# KiCad board panel.kicad_pcb (continued)
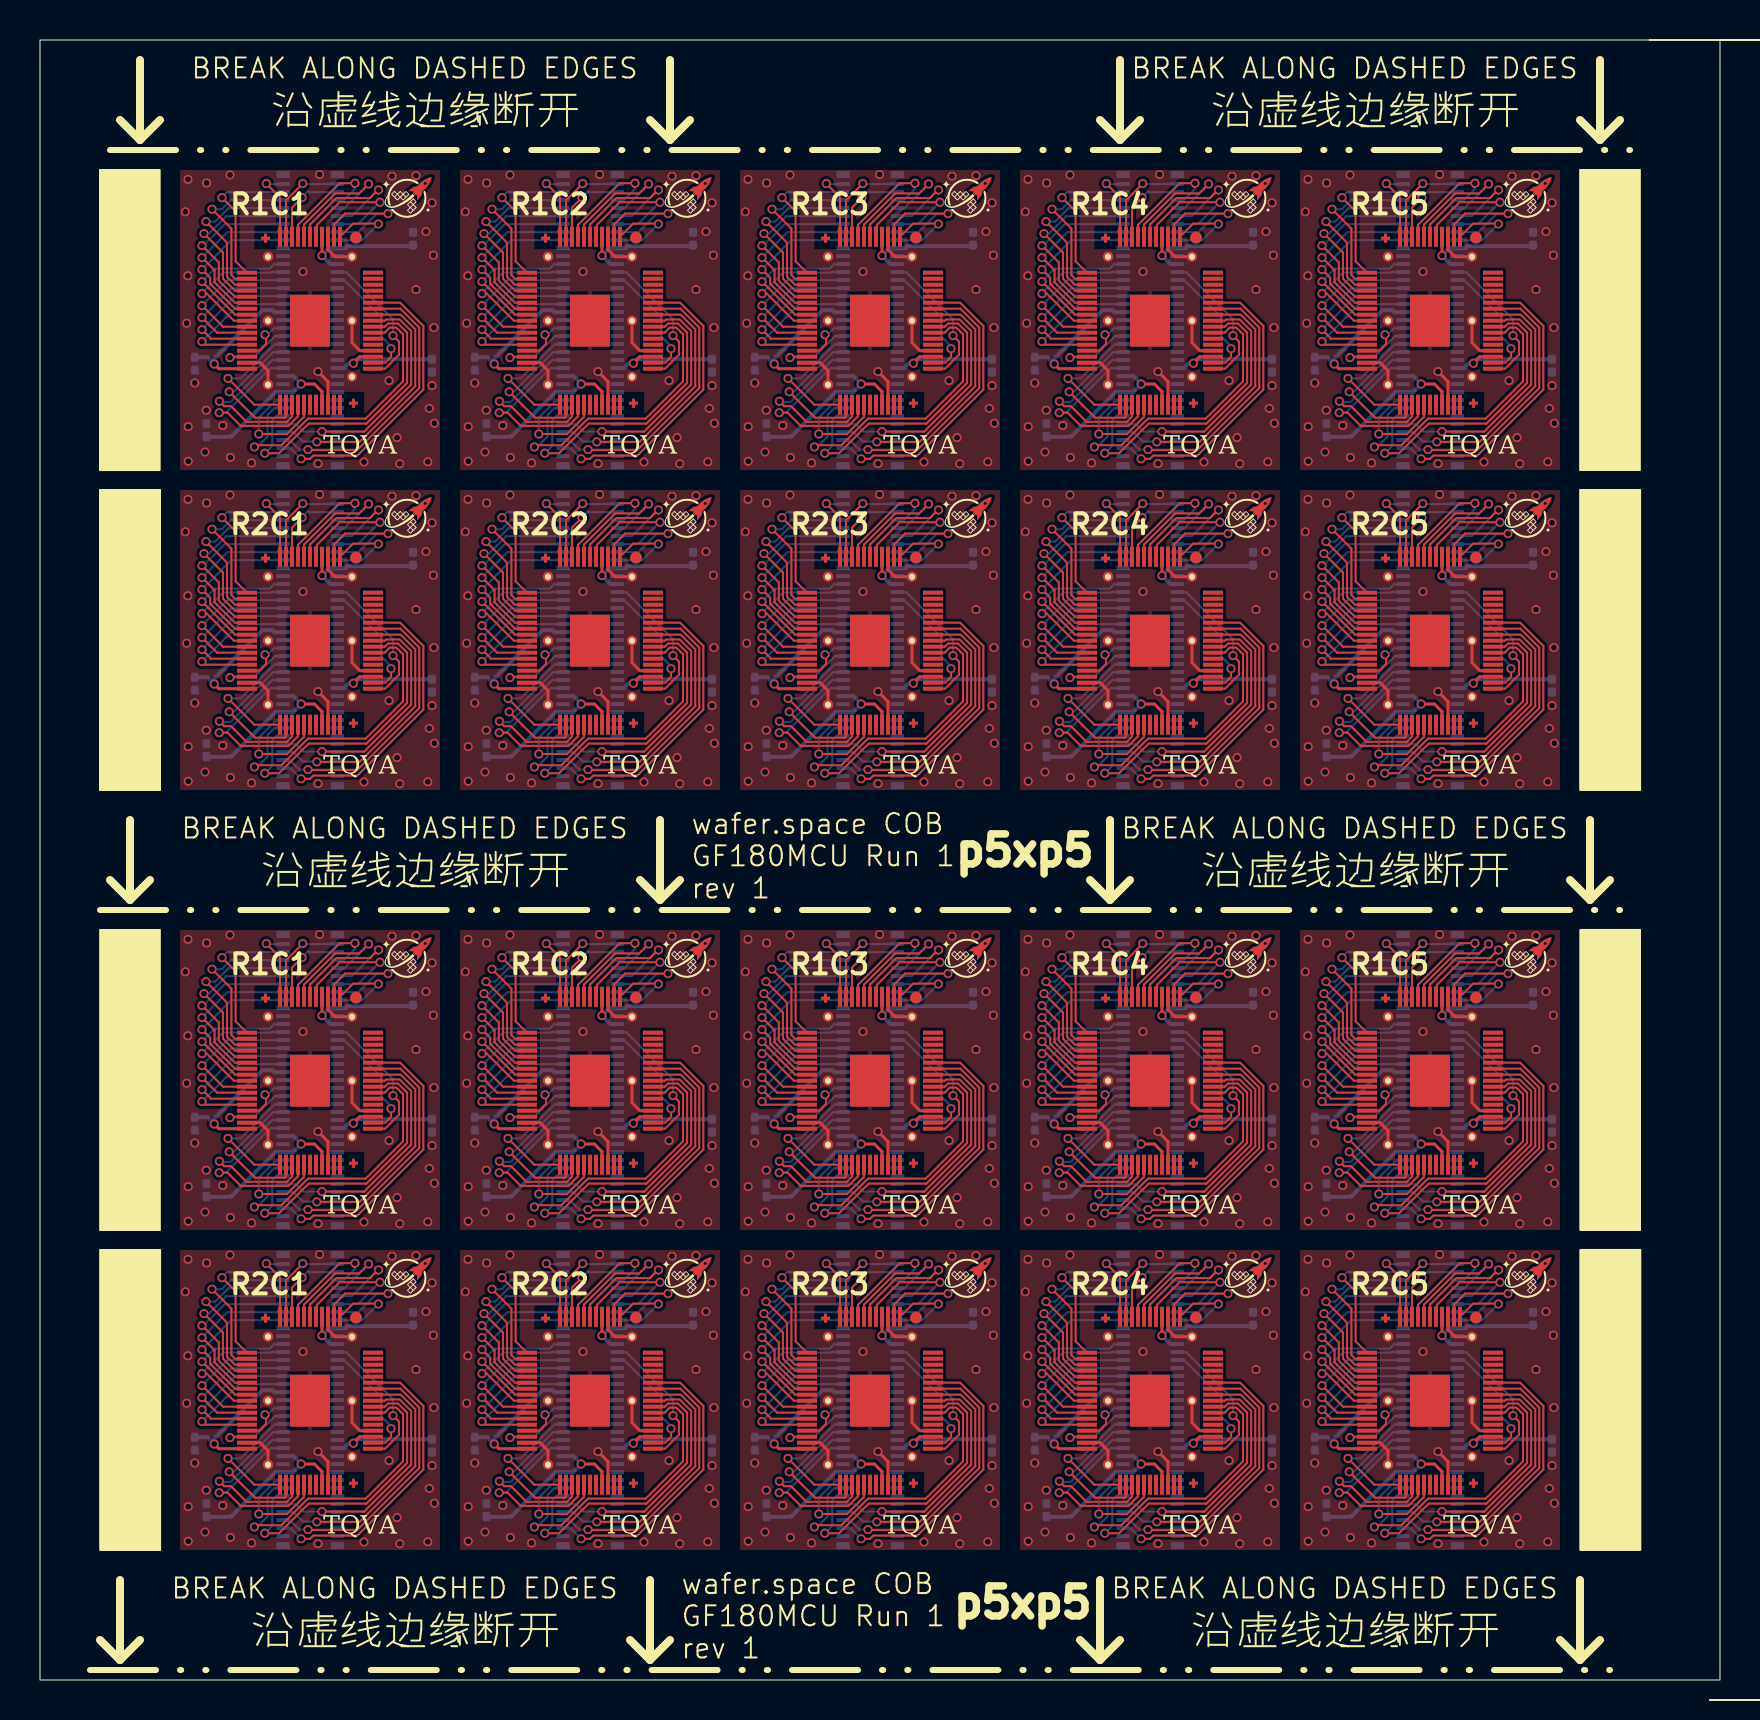
[diagram p0: board, top side]
## Routing (per net, layer and track width the routed paths; a pad name or vN(x,y) marks a point on that pad's centre or on a via; arc(x,y) is an arc through that point) (continued)
  Bottom w0.1: v1(22.2,18.32) 22.44,18.32 23.32,19.2 U113.66 ; U109#2.66 65.32,35.2 64.44,34.32 v1(64.2,34.32) ; v1(8.2,34.32) 8.44,34.32 9.32,35.2 U101#2.66 ; U105.66 37.32,73.19 36.44,72.32 v1(36.2,72.32) ; U101.66 9.32,73.19 8.44,72.32 v1(8.2,72.32) ; v1(22.2,34.32) 22.44,34.32 23.32,35.2 U103#2.66 ; U117#2.66 51.32,57.2 50.44,56.32 v1(50.2,56.32) ; U107#2.66 51.32,35.2 50.44,34.32 v1(50.2,34.32) ; U117.66 51.32,19.2 50.44,18.32 v1(50.2,18.32) ; U103.66 23.32,73.19 22.44,72.32 v1(22.2,72.32) ; U107.66 51.32,73.19 50.44,72.32 v1(50.2,72.32) ; v1(8.2,18.32) 8.44,18.32 9.32,19.2 U111#2.66 ; v1(64.2,72.32) 64.44,72.32 65.32,73.19 U109.66 ; v1(36.2,56.32) 36.44,56.32 37.32,57.2 U115.66 ; v1(8.2,56.32) 8.44,56.32 9.32,57.2 U111.66 ; U119.66 65.32,57.2 64.44,56.32 v1(64.2,56.32) ; U115#2.66 37.32,19.2 36.44,18.32 v1(36.2,18.32) ; U119#2.66 65.32,19.2 64.44,18.32 v1(64.2,18.32) ; v1(22.2,56.32) 22.44,56.32 23.32,57.2 U113#2.66 ; U105#2.66 37.32,35.2 36.44,34.32 v1(36.2,34.32)
/bidir_11: length 166.8
  Top w0.1: U120#2.16 65.74,15.17 64.94,15.97 64.94,16.88 v1(64.1,17.72) ; v1(8.1,33.72) 8.94,32.88 8.94,31.97 9.74,31.17 U102#2.16 ; v1(64.1,33.72) 64.94,32.88 64.94,31.97 65.74,31.17 U110.16 ; v1(64.1,55.72) 64.94,54.88 64.94,53.97 65.74,53.17 U120.16 ; U114#2.16 23.74,53.17 22.94,53.97 22.94,54.88 v1(22.1,55.72) ; v1(22.1,17.72) 22.94,16.88 22.94,15.97 23.74,15.17 U114.16 ; U116.16 37.74,53.17 36.94,53.97 36.94,54.88 v1(36.1,55.72) ; U108.16 51.74,31.17 50.94,31.97 50.94,32.88 v1(50.1,33.72) ; v1(8.1,55.72) 8.94,54.88 8.94,53.97 9.74,53.17 U112.16 ; v1(50.1,71.72) 50.94,70.88 50.94,69.97 51.74,69.16 U108#2.16 ; U106.16 37.74,31.17 36.94,31.97 36.94,32.88 v1(36.1,33.72) ; v1(50.1,17.72) 50.94,16.88 50.94,15.97 51.74,15.17 U118#2.16 ; v1(64.1,71.72) 64.94,70.88 64.94,69.97 65.74,69.16 U110#2.16 ; v1(36.1,71.72) 36.94,70.88 36.94,69.97 37.74,69.16 U106#2.16 ; U112#2.16 9.74,15.17 8.94,15.97 8.94,16.88 v1(8.1,17.72) ; v1(50.1,55.72) 50.94,54.88 50.94,53.97 51.74,53.17 U118.16 ; U104.16 23.74,69.16 22.94,69.97 22.94,70.88 v1(22.1,71.72) ; U104#2.16 23.74,31.17 22.94,31.97 22.94,32.88 v1(22.1,33.72) ; v1(8.1,71.72) 8.94,70.88 8.94,69.97 9.74,69.16 U102.16 ; U116#2.16 37.74,15.17 36.94,15.97 36.94,16.88 v1(36.1,17.72)
  Bottom w0.1: v1(36.1,17.72) 36.17,17.72 37.24,18.8 U115#2.65 ; U103.65 23.24,72.8 22.17,71.72 v1(22.1,71.72) ; U111.65 9.24,56.8 8.17,55.72 v1(8.1,55.72) ; v1(36.1,55.72) 36.17,55.72 37.24,56.8 U115.65 ; U105.65 37.24,72.8 36.17,71.72 v1(36.1,71.72) ; v1(64.1,17.72) 64.17,17.72 65.24,18.8 U119#2.65 ; U117#2.65 51.24,56.8 50.17,55.72 v1(50.1,55.72) ; v1(50.1,17.72) 50.17,17.72 51.24,18.8 U117.65 ; v1(8.1,17.72) 8.17,17.72 9.24,18.8 U111#2.65 ; U107#2.65 51.24,34.8 50.17,33.72 v1(50.1,33.72) ; v1(8.1,33.72) 8.17,33.72 9.24,34.8 U101#2.65 ; U113.65 23.24,18.8 22.17,17.72 v1(22.1,17.72) ; U107.65 51.24,72.8 50.17,71.72 v1(50.1,71.72) ; v1(64.1,55.72) 64.17,55.72 65.24,56.8 U119.65 ; v1(8.1,71.72) 8.17,71.72 9.24,72.8 U101.65 ; U103#2.65 23.24,34.8 22.17,33.72 v1(22.1,33.72) ; v1(36.1,33.72) 36.17,33.72 37.24,34.8 U105#2.65 ; v1(64.1,33.72) 64.17,33.72 65.24,34.8 U109#2.65 ; U113#2.65 23.24,56.8 22.17,55.72 v1(22.1,55.72) ; v1(64.1,71.72) 64.17,71.72 65.24,72.8 U109.65
/bidir_12: length 162.5
  Top w0.1: U118#2.17 51.74,14.87 50.84,15.77 50.84,15.78 50.73,15.89 50.73,16.49 v1(50.1,17.12) ; U120.17 65.74,52.87 64.84,53.77 64.84,53.78 64.73,53.89 64.73,54.49 v1(64.1,55.12) ; U102#2.17 9.74,30.87 8.84,31.77 8.84,31.78 8.73,31.89 8.73,32.49 v1(8.1,33.12) ; U106.17 37.74,30.87 36.84,31.77 36.84,31.78 36.73,31.89 36.73,32.49 v1(36.1,33.12) ; v1(22.1,55.12) 22.73,54.49 22.73,53.89 22.84,53.78 22.84,53.77 23.74,52.87 U114#2.17 ; v1(64.1,17.12) 64.73,16.49 64.73,15.89 64.84,15.78 64.84,15.77 65.74,14.87 U120#2.17 ; v1(36.1,71.12) 36.73,70.49 36.73,69.89 36.84,69.78 36.84,69.77 37.74,68.87 U106#2.17 ; v1(22.1,17.12) 22.73,16.49 22.73,15.89 22.84,15.78 22.84,15.77 23.74,14.87 U114.17 ; v1(22.1,71.12) 22.73,70.49 22.73,69.89 22.84,69.78 22.84,69.77 23.74,68.87 U104.17 ; v1(50.1,33.12) 50.73,32.49 50.73,31.89 50.84,31.78 50.84,31.77 51.74,30.87 U108.17 ; U116.17 37.74,52.87 36.84,53.77 36.84,53.78 36.73,53.89 36.73,54.49 v1(36.1,55.12) ; U110.17 65.74,30.87 64.84,31.77 64.84,31.78 64.73,31.89 64.73,32.49 v1(64.1,33.12) ; U118.17 51.74,52.87 50.84,53.77 50.84,53.78 50.73,53.89 50.73,54.49 v1(50.1,55.12) ; v1(64.1,71.12) 64.73,70.49 64.73,69.89 64.84,69.78 64.84,69.77 65.74,68.87 U110#2.17 ; U112.17 9.74,52.87 8.84,53.77 8.84,53.78 8.73,53.89 8.73,54.49 v1(8.1,55.12) ; v1(22.1,33.12) 22.73,32.49 22.73,31.89 22.84,31.78 22.84,31.77 23.74,30.87 U104#2.17 ; v1(50.1,71.12) 50.73,70.49 50.73,69.89 50.84,69.78 50.84,69.77 51.74,68.87 U108#2.17 ; v1(36.1,17.12) 36.73,16.49 36.73,15.89 36.84,15.78 36.84,15.77 37.74,14.87 U116#2.17 ; U112#2.17 9.74,14.87 8.84,15.77 8.84,15.78 8.73,15.89 8.73,16.49 v1(8.1,17.12) ; U102.17 9.74,68.87 8.84,69.77 8.84,69.78 8.73,69.89 8.73,70.49 v1(8.1,71.12)
  Bottom w0.1: v1(36.1,71.12) 37.37,72.4 U105.64 ; 26.15,18.39 23.37,18.39 v1(22.1,17.12) ; v1(64.1,17.12) 65.38,18.39 68.16,18.39 ; v1(8.1,55.12) 9.37,56.39 12.15,56.39 ; v1(64.1,55.12) 65.38,56.39 68.16,56.39 ; 54.15,56.39 51.37,56.39 v1(50.1,55.12) ; 26.15,34.39 23.37,34.39 v1(22.1,33.12) ; v1(36.1,55.12) 37.37,56.39 40.15,56.39 ; v1(8.1,17.12) 9.37,18.39 12.15,18.39 ; v1(22.1,71.12) 23.37,72.4 U103.64 ; 40.15,18.39 37.37,18.39 v1(36.1,17.12) ; U109.64 65.38,72.4 v1(64.1,71.12) ; U101.64 9.37,72.4 v1(8.1,71.12) ; v1(50.1,71.12) 51.37,72.4 U107.64 ; 54.15,34.39 51.37,34.39 v1(50.1,33.12) ; v1(36.1,33.12) 37.37,34.39 40.15,34.39 ; v1(8.1,33.12) 9.37,34.39 12.15,34.39 ; 26.15,56.39 23.37,56.39 v1(22.1,55.12) ; 54.15,18.39 51.37,18.39 v1(50.1,17.12) ; v1(64.1,33.12) 65.38,34.39 68.16,34.39
/bidir_13: length 158
  Top w0.1: v1(36.1,16.52) 36.51,16.11 36.51,15.81 37.76,14.56 U116#2.18 ; v1(50.1,16.52) 50.51,16.11 50.51,15.81 51.76,14.56 U118#2.18 ; U108#2.18 51.76,68.56 50.51,69.81 50.51,70.11 v1(50.1,70.52) ; U104.18 23.76,68.56 22.51,69.81 22.51,70.11 v1(22.1,70.52) ; U106.18 37.76,30.56 36.51,31.81 36.51,32.11 v1(36.1,32.52) ; U116.18 37.76,52.56 36.51,53.81 36.51,54.11 v1(36.1,54.52) ; v1(8.1,32.52) 8.51,32.11 8.51,31.81 9.76,30.56 U102#2.18 ; U120.18 65.76,52.56 64.51,53.81 64.51,54.11 v1(64.1,54.52) ; U108.18 51.76,30.56 50.51,31.81 50.51,32.11 v1(50.1,32.52) ; v1(8.1,16.52) 8.51,16.11 8.51,15.81 9.76,14.56 U112#2.18 ; v1(64.1,70.52) 64.51,70.11 64.51,69.81 65.76,68.56 U110#2.18 ; v1(64.1,16.52) 64.51,16.11 64.51,15.81 65.76,14.56 U120#2.18 ; v1(22.1,32.52) 22.51,32.11 22.51,31.81 23.76,30.56 U104#2.18 ; U102.18 9.76,68.56 8.51,69.81 8.51,70.11 v1(8.1,70.52) ; U118.18 51.76,52.56 50.51,53.81 50.51,54.11 v1(50.1,54.52) ; U112.18 9.76,52.56 8.51,53.81 8.51,54.11 v1(8.1,54.52) ; v1(22.1,16.52) 22.51,16.11 22.51,15.81 23.76,14.56 U114.18 ; v1(64.1,32.52) 64.51,32.11 64.51,31.81 65.76,30.56 U110.18 ; U106#2.18 37.76,68.56 36.51,69.81 36.51,70.11 v1(36.1,70.52) ; U114#2.18 23.76,52.56 22.51,53.81 22.51,54.11 v1(22.1,54.52)
  Bottom w0.1: U119#2.63 65.57,18 v1(64.1,16.52) ; U117.63 51.57,18 v1(50.1,16.52) ; v1(22.1,32.52) 23.57,34 U103#2.63 ; v1(36.1,70.52) 37.57,72 U105.63 ; U115#2.63 37.57,18 v1(36.1,16.52) ; U109#2.63 65.57,34 v1(64.1,32.52) ; U113.63 23.57,18 v1(22.1,16.52) ; U107#2.63 51.57,34 v1(50.1,32.52) ; U111#2.63 9.57,18 v1(8.1,16.52) ; v1(22.1,70.52) 23.57,72 U103.63 ; U113#2.63 23.57,56 v1(22.1,54.52) ; U119.63 65.57,56 v1(64.1,54.52) ; v1(8.1,54.52) 9.57,56 U111.63 ; v1(50.1,54.52) 51.57,56 U117#2.63 ; v1(50.1,70.52) 51.57,72 U107.63 ; v1(8.1,70.52) 9.57,72 U101.63 ; U105#2.63 37.57,34 v1(36.1,32.52) ; U101#2.63 9.57,34 v1(8.1,32.52) ; v1(64.1,70.52) 65.57,72 U109.63 ; U115.63 37.57,56 v1(36.1,54.52)
/bidir_14: length 147.1
  Top w0.1: U108.19 51.76,30.27 v1(50.1,31.92) ; U104.19 23.76,68.27 v1(22.1,69.92) ; U112.19 9.76,52.27 v1(8.1,53.92) ; U116#2.19 37.76,14.27 v1(36.1,15.92) ; U114#2.19 23.76,52.27 v1(22.1,53.92) ; U116.19 37.76,52.27 v1(36.1,53.92) ; v1(64.1,69.92) 65.75,68.27 U110#2.19 ; U120.19 65.75,52.27 v1(64.1,53.92) ; v1(50.1,15.92) 51.76,14.27 U118#2.19 ; U104#2.19 23.76,30.27 v1(22.1,31.92) ; U118.19 51.76,52.27 v1(50.1,53.92) ; v1(64.1,15.92) 65.75,14.27 U120#2.19 ; U102.19 9.76,68.27 v1(8.1,69.92) ; U106.19 37.76,30.27 v1(36.1,31.92) ; v1(36.1,69.92) 37.76,68.27 U106#2.19 ; v1(64.1,31.92) 65.75,30.27 U110.19 ; v1(22.1,15.92) 23.76,14.27 U114.19 ; U112#2.19 9.76,14.27 v1(8.1,15.92) ; v1(50.1,69.92) 51.76,68.27 U108#2.19 ; v1(8.1,31.92) 9.76,30.27 U102#2.19
  Bottom w0.1: U105#2.60 39.71,32.8 39.49,32.57 36.75,32.57 v1(36.1,31.92) ; U111.60 11.71,54.8 11.49,54.57 8.75,54.57 v1(8.1,53.92) ; U115#2.60 39.71,16.8 39.49,16.57 36.75,16.57 v1(36.1,15.92) ; v1(8.1,69.92) 8.75,70.57 11.49,70.57 11.71,70.8 U101.60 ; U119.60 67.71,54.8 67.49,54.57 64.75,54.57 v1(64.1,53.92) ; v1(8.1,31.92) 8.75,32.57 11.49,32.57 11.71,32.8 U101#2.60 ; U107#2.60 53.71,32.8 53.49,32.57 50.75,32.57 v1(50.1,31.92) ; v1(64.1,31.92) 64.75,32.57 67.49,32.57 67.71,32.8 U109#2.60 ; v1(8.1,15.92) 8.75,16.57 11.49,16.57 11.71,16.8 U111#2.60 ; v1(50.1,15.92) 50.75,16.57 53.49,16.57 53.71,16.8 U117.60 ; v1(50.1,69.92) 50.75,70.57 53.49,70.57 53.71,70.8 U107.60 ; v1(64.1,15.92) 64.75,16.57 67.49,16.57 67.71,16.8 U119#2.60 ; U115.60 39.71,54.8 39.49,54.57 36.75,54.57 v1(36.1,53.92) ; v1(22.1,31.92) 22.75,32.57 25.49,32.57 25.71,32.8 U103#2.60 ; U117#2.60 53.71,54.8 53.49,54.57 50.75,54.57 v1(50.1,53.92) ; U113#2.60 25.71,54.8 25.49,54.57 22.75,54.57 v1(22.1,53.92) ; U105.60 39.71,70.8 39.49,70.57 36.75,70.57 v1(36.1,69.92) ; v1(22.1,69.92) 22.75,70.57 25.49,70.57 25.71,70.8 U103.60 ; v1(64.1,69.92) 64.75,70.57 67.49,70.57 67.71,70.8 U109.60 ; v1(22.1,15.92) 22.75,16.57 25.49,16.57 25.71,16.8 U113.60
/bidir_15: length 146.2
  Top w0.1: U112.20 9.7,51.97 8.34,53.32 v1(8.1,53.32) ; U120#2.20 65.69,13.97 64.34,15.32 v1(64.1,15.32) ; v1(8.1,15.32) 8.34,15.32 9.7,13.97 U112#2.20 ; U108#2.20 51.7,67.97 50.34,69.32 v1(50.1,69.32) ; v1(50.1,53.32) 50.34,53.32 51.7,51.97 U118.20 ; v1(64.1,31.32) 64.34,31.32 65.69,29.97 U110.20 ; v1(8.1,31.32) 8.34,31.32 9.7,29.97 U102#2.20 ; U102.20 9.7,67.97 8.34,69.32 v1(8.1,69.32) ; v1(22.1,15.32) 22.34,15.32 23.7,13.97 U114.20 ; v1(36.1,69.32) 36.34,69.32 37.7,67.97 U106#2.20 ; v1(36.1,53.32) 36.34,53.32 37.7,51.97 U116.20 ; U116#2.20 37.7,13.97 36.34,15.32 v1(36.1,15.32) ; U114#2.20 23.7,51.97 22.34,53.32 v1(22.1,53.32) ; v1(50.1,15.32) 50.34,15.32 51.7,13.97 U118#2.20 ; U106.20 37.7,29.97 36.34,31.32 v1(36.1,31.32) ; v1(22.1,69.32) 22.34,69.32 23.7,67.97 U104.20 ; v1(64.1,69.32) 64.34,69.32 65.69,67.97 U110#2.20 ; U104#2.20 23.7,29.97 22.34,31.32 v1(22.1,31.32) ; U108.20 51.7,29.97 50.34,31.32 v1(50.1,31.32) ; v1(64.1,53.32) 64.34,53.32 65.69,51.97 U120.20
  Bottom w0.1: 54.15,16.39 53.6,16.39 53.57,16.37 51.15,16.37 v1(50.1,15.32) ; 26.15,32.39 25.6,32.39 25.57,32.37 23.15,32.37 v1(22.1,31.32) ; U109.59 67.6,70.4 67.57,70.37 65.15,70.37 v1(64.1,69.32) ; 68.16,16.39 67.6,16.39 67.57,16.37 65.15,16.37 v1(64.1,15.32) ; v1(36.1,15.32) 37.15,16.37 39.57,16.37 39.6,16.39 40.15,16.39 ; 54.15,32.39 53.6,32.39 53.57,32.37 51.15,32.37 v1(50.1,31.32) ; v1(8.1,53.32) 9.15,54.37 11.57,54.37 11.6,54.39 12.15,54.39 ; v1(64.1,31.32) 65.15,32.37 67.57,32.37 67.6,32.39 68.16,32.39 ; v1(22.1,53.32) 23.15,54.37 25.57,54.37 25.6,54.39 26.15,54.39 ; 26.15,16.39 25.6,16.39 25.57,16.37 23.15,16.37 v1(22.1,15.32) ; U105.59 39.6,70.4 39.57,70.37 37.15,70.37 v1(36.1,69.32) ; U103.59 25.6,70.4 25.57,70.37 23.15,70.37 v1(22.1,69.32) ; v1(8.1,15.32) 9.15,16.37 11.57,16.37 11.6,16.39 12.15,16.39 ; v1(50.1,69.32) 51.15,70.37 53.57,70.37 53.6,70.4 U107.59 ; v1(64.1,53.32) 65.15,54.37 67.57,54.37 67.6,54.39 68.16,54.39 ; v1(8.1,69.32) 9.15,70.37 11.57,70.37 11.6,70.4 U101.59 ; v1(8.1,31.32) 9.15,32.37 11.57,32.37 11.6,32.39 12.15,32.39 ; v1(36.1,53.32) 37.15,54.37 39.57,54.37 39.6,54.39 40.15,54.39 ; 40.15,32.39 39.6,32.39 39.57,32.37 37.15,32.37 v1(36.1,31.32) ; 54.15,54.39 53.6,54.39 53.57,54.37 51.15,54.37 v1(50.1,53.32)
/bidir_16: length 145.4
  Top w0.1: U106.21 37.15,29.67 v1(36.1,30.72) ; v1(36.1,14.72) 37.15,13.67 U116#2.21 ; v1(8.1,68.72) 9.15,67.66 U102.21 ; v1(64.1,52.72) 65.16,51.67 U120.21 ; v1(50.1,30.72) 51.15,29.67 U108.21 ; v1(22.1,30.72) 23.15,29.67 U104#2.21 ; v1(50.1,52.72) 51.15,51.67 U118.21 ; v1(8.1,52.72) 9.15,51.67 U112.21 ; U108#2.21 51.15,67.66 v1(50.1,68.72) ; v1(50.1,14.72) 51.15,13.67 U118#2.21 ; U102#2.21 9.15,29.67 v1(8.1,30.72) ; U114#2.21 23.15,51.67 v1(22.1,52.72) ; v1(36.1,52.72) 37.15,51.67 U116.21 ; U106#2.21 37.15,67.66 v1(36.1,68.72) ; U110#2.21 65.16,67.66 v1(64.1,68.72) ; U110.21 65.16,29.67 v1(64.1,30.72) ; U104.21 23.15,67.66 v1(22.1,68.72) ; U112#2.21 9.15,13.67 v1(8.1,14.72) ; v1(22.1,14.72) 23.15,13.67 U114.21 ; v1(64.1,14.72) 65.16,13.67 U120#2.21
  Bottom w0.1: v1(8.1,30.72) 9.37,32 U101#2.58 ; v1(36.1,30.72) 37.37,32 U105#2.58 ; v1(22.1,30.72) 23.37,32 U103#2.58 ; v1(22.1,14.72) 23.37,16 U113.58 ; v1(64.1,52.72) 65.38,54 U119.58 ; U107.58 51.37,70 v1(50.1,68.72) ; v1(22.1,52.72) 23.37,54 U113#2.58 ; U103.58 23.37,70 v1(22.1,68.72) ; U119#2.58 65.38,16 v1(64.1,14.72) ; U111#2.58 9.37,16 v1(8.1,14.72) ; U109.58 65.38,70 v1(64.1,68.72) ; U107#2.58 51.37,32 v1(50.1,30.72) ; U115#2.58 37.37,16 v1(36.1,14.72) ; v1(64.1,30.72) 65.38,32 U109#2.58 ; U105.58 37.37,70 v1(36.1,68.72) ; U101.58 9.37,70 v1(8.1,68.72) ; U117#2.58 51.37,54 v1(50.1,52.72) ; U117.58 51.37,16 v1(50.1,14.72) ; U111.58 9.37,54 v1(8.1,52.72) ; v1(36.1,52.72) 37.37,54 U115.58
/bidir_17: length 144.6
  Top w0.1: v1(50.1,14.12) 50.85,13.36 U118#2.22 ; v1(8.1,14.12) 8.85,13.36 U112#2.22 ; U106.22 36.85,29.36 v1(36.1,30.12) ; v1(50.1,52.12) 50.85,51.36 U118.22 ; U108.22 50.85,29.36 v1(50.1,30.12) ; v1(8.1,52.12) 8.85,51.36 U112.22 ; U114.22 22.85,13.36 v1(22.1,14.12) ; U116#2.22 36.85,13.36 v1(36.1,14.12) ; U102.22 8.85,67.37 v1(8.1,68.12) ; v1(36.1,52.12) 36.85,51.36 U116.22 ; U120#2.22 64.85,13.36 v1(64.1,14.12) ; U110#2.22 64.85,67.37 v1(64.1,68.12) ; U110.22 64.85,29.36 v1(64.1,30.12) ; v1(64.1,52.12) 64.85,51.36 U120.22 ; U104#2.22 22.85,29.36 v1(22.1,30.12) ; U102#2.22 8.85,29.36 v1(8.1,30.12) ; v1(36.1,68.12) 36.85,67.37 U106#2.22 ; U108#2.22 50.85,67.37 v1(50.1,68.12) ; U114#2.22 22.85,51.36 v1(22.1,52.12) ; v1(22.1,68.12) 22.85,67.37 U104.22
  Bottom w0.1: v1(8.1,30.12) 8.11,30.12 9.59,31.59 U101#2.57 ; U103.57 23.59,69.59 22.11,68.12 v1(22.1,68.12) ; v1(64.1,52.12) 64.11,52.12 65.59,53.59 U119.57 ; v1(22.1,30.12) 22.11,30.12 23.59,31.59 U103#2.57 ; v1(64.1,68.12) 64.11,68.12 65.59,69.59 U109.57 ; v1(50.1,52.12) 50.11,52.12 51.59,53.59 U117#2.57 ; v1(8.1,52.12) 8.11,52.12 9.59,53.59 U111.57 ; v1(8.1,14.12) 8.11,14.12 9.59,15.59 U111#2.57 ; U107#2.57 51.59,31.59 50.11,30.12 v1(50.1,30.12) ; U119#2.57 65.59,15.59 64.11,14.12 v1(64.1,14.12) ; v1(36.1,52.12) 36.11,52.12 37.59,53.59 U115.57 ; v1(36.1,68.12) 36.11,68.12 37.59,69.59 U105.57 ; U101.57 9.59,69.59 8.11,68.12 v1(8.1,68.12) ; U117.57 51.59,15.59 50.11,14.12 v1(50.1,14.12) ; U113#2.57 23.59,53.59 22.11,52.12 v1(22.1,52.12) ; v1(50.1,68.12) 50.11,68.12 51.59,69.59 U107.57 ; U105#2.57 37.59,31.59 36.11,30.12 v1(36.1,30.12) ; U109#2.57 65.59,31.59 64.11,30.12 v1(64.1,30.12) ; v1(22.1,14.12) 22.11,14.12 23.59,15.59 U113.57 ; U115#2.57 37.59,15.59 36.11,14.12 v1(36.1,14.12)
/bidir_18: length 143.7
  Top w0.1: v1(22.1,67.52) 22.55,67.06 U104.23 ; v1(8.1,51.52) 8.55,51.06 U112.23 ; v1(50.1,29.52) 50.55,29.06 U108.23 ; v1(64.1,29.52) 64.56,29.06 U110.23 ; U102#2.23 8.55,29.06 v1(8.1,29.52) ; U108#2.23 50.55,67.06 v1(50.1,67.52) ; v1(50.1,13.52) 50.55,13.06 U118#2.23 ; v1(36.1,13.52) 36.55,13.06 U116#2.23 ; v1(36.1,51.52) 36.55,51.06 U116.23 ; v1(50.1,51.52) 50.55,51.06 U118.23 ; U106.23 36.55,29.06 v1(36.1,29.52) ; U104#2.23 22.55,29.06 v1(22.1,29.52) ; U112#2.23 8.55,13.06 v1(8.1,13.52) ; v1(64.1,67.52) 64.56,67.06 U110#2.23 ; U120#2.23 64.56,13.06 v1(64.1,13.52) ; v1(36.1,67.52) 36.55,67.06 U106#2.23 ; U114.23 22.55,13.06 v1(22.1,13.52) ; U114#2.23 22.55,51.06 v1(22.1,51.52) ; v1(64.1,51.52) 64.56,51.06 U120.23 ; v1(8.1,67.52) 8.55,67.06 U102.23
  Bottom w0.1: v1(22.1,67.52) 23.77,69.19 U103.56 ; U105.56 37.77,69.19 v1(36.1,67.52) ; U103#2.56 23.77,31.2 v1(22.1,29.52) ; v1(64.1,51.52) 65.78,53.2 U119.56 ; v1(36.1,13.52) 37.77,15.2 U115#2.56 ; U101.56 9.77,69.19 v1(8.1,67.52) ; v1(36.1,51.52) 37.77,53.2 U115.56 ; U117#2.56 51.77,53.2 v1(50.1,51.52) ; v1(50.1,29.52) 51.77,31.2 U107#2.56 ; U101#2.56 9.77,31.2 v1(8.1,29.52) ; U109#2.56 65.78,31.2 v1(64.1,29.52) ; v1(50.1,67.52) 51.77,69.19 U107.56 ; v1(50.1,13.52) 51.77,15.2 U117.56 ; U113#2.56 23.77,53.2 v1(22.1,51.52) ; U111.56 9.77,53.2 v1(8.1,51.52) ; v1(64.1,13.52) 65.78,15.2 U119#2.56 ; v1(64.1,67.52) 65.78,69.19 U109.56 ; v1(8.1,13.52) 9.77,15.2 U111#2.56 ; U105#2.56 37.77,31.2 v1(36.1,29.52) ; v1(22.1,13.52) 23.77,15.2 U113.56
/bidir_19: length 142.9
  Top w0.1: v1(22.1,12.92) 22.26,12.76 U114.24 ; v1(50.1,50.92) 50.26,50.76 U118.24 ; v1(8.1,50.92) 8.26,50.76 U112.24 ; v1(22.1,50.92) 22.26,50.76 U114#2.24 ; v1(50.1,28.92) 50.26,28.76 U108.24 ; v1(64.1,12.92) 64.26,12.76 U120#2.24 ; U104#2.24 22.26,28.76 v1(22.1,28.92) ; v1(8.1,66.92) 8.26,66.76 U102.24 ; v1(50.1,66.92) 50.26,66.76 U108#2.24 ; v1(8.1,28.92) 8.26,28.76 U102#2.24 ; U120.24 64.26,50.76 v1(64.1,50.92) ; U106#2.24 36.26,66.76 v1(36.1,66.92) ; U118#2.24 50.26,12.76 v1(50.1,12.92) ; v1(36.1,12.92) 36.26,12.76 U116#2.24 ; v1(22.1,66.92) 22.26,66.76 U104.24 ; v1(36.1,28.92) 36.26,28.76 U106.24 ; v1(36.1,50.92) 36.26,50.76 U116.24 ; U112#2.24 8.26,12.76 v1(8.1,12.92) ; v1(64.1,28.92) 64.26,28.76 U110.24 ; U110#2.24 64.26,66.76 v1(64.1,66.92)
  Bottom w0.1: U119.55 65.97,52.8 v1(64.1,50.92) ; U113.55 23.98,14.8 v1(22.1,12.92) ; U109#2.55 65.97,30.8 v1(64.1,28.92) ; U101.55 9.98,68.8 v1(8.1,66.92) ; U103#2.55 23.98,30.8 v1(22.1,28.92) ; U107#2.55 51.98,30.8 v1(50.1,28.92) ; v1(50.1,66.92) 51.98,68.8 U107.55 ; v1(36.1,12.92) 37.98,14.8 U115#2.55 ; v1(64.1,66.92) 65.97,68.8 U109.55 ; U111#2.55 9.98,14.8 v1(8.1,12.92) ; v1(36.1,66.92) 37.98,68.8 U105.55 ; U117#2.55 51.98,52.8 v1(50.1,50.92) ; v1(64.1,12.92) 65.97,14.8 U119#2.55 ; v1(22.1,66.92) 23.98,68.8 U103.55 ; v1(22.1,50.92) 23.98,52.8 U113#2.55 ; U115.55 37.98,52.8 v1(36.1,50.92) ; U101#2.55 9.98,30.8 v1(8.1,28.92) ; v1(8.1,50.92) 9.98,52.8 U111.55 ; U105#2.55 37.98,30.8 v1(36.1,28.92) ; v1(50.1,12.92) 51.98,14.8 U117.55
/bidir_20: length 52.2
  Top w0.1: v1(39.25,13.26) 39.3,13.21 39.3,12.81 38.96,12.47 U116#2.25 ; U114#2.25 24.96,50.47 25.3,50.81 25.3,51.21 v1(25.25,51.26) ; U120#2.25 66.96,12.47 67.3,12.81 67.3,13.21 v1(67.25,13.26) ; U118#2.25 52.96,12.47 53.3,12.81 53.3,13.21 v1(53.25,13.26) ; U106.25 38.96,28.47 39.3,28.81 39.3,29.21 v1(39.25,29.26) ; v1(67.25,29.26) 67.3,29.21 67.3,28.81 66.96,28.47 U110.25 ; U120.25 66.96,50.47 67.3,50.81 67.3,51.21 v1(67.25,51.26) ; U112#2.25 10.96,12.47 11.3,12.81 11.3,13.21 v1(11.25,13.26) ; v1(39.25,51.26) 39.3,51.21 39.3,50.81 38.96,50.47 U116.25 ; v1(53.25,67.26) 53.3,67.21 53.3,66.81 52.96,66.47 U108#2.25 ; v1(25.25,13.26) 25.3,13.21 25.3,12.81 24.96,12.47 U114.25 ; v1(11.25,51.26) 11.3,51.21 11.3,50.81 10.96,50.47 U112.25 ; U104#2.25 24.96,28.47 25.3,28.81 25.3,29.21 v1(25.25,29.26) ; U118.25 52.96,50.47 53.3,50.81 53.3,51.21 v1(53.25,51.26) ; U110#2.25 66.96,66.47 67.3,66.81 67.3,67.21 v1(67.25,67.26) ; v1(53.25,29.26) 53.3,29.21 53.3,28.81 52.96,28.47 U108.25 ; U104.25 24.96,66.47 25.3,66.81 25.3,67.21 v1(25.25,67.26) ; U106#2.25 38.96,66.47 39.3,66.81 39.3,67.21 v1(39.25,67.26) ; v1(11.25,29.26) 11.3,29.21 11.3,28.81 10.96,28.47 U102#2.25 ; v1(11.25,67.26) 11.3,67.21 11.3,66.81 10.96,66.47 U102.25
  Bottom w0.1: U113.52 25.73,13.59 25.45,13.32 25.31,13.32 v1(25.25,13.26) ; U111#2.52 11.73,13.59 11.45,13.32 11.31,13.32 v1(11.25,13.26) ; U119.52 67.72,51.59 67.45,51.32 67.31,51.32 v1(67.25,51.26) ; U101.52 11.73,67.59 11.45,67.32 11.31,67.32 v1(11.25,67.26) ; U105#2.52 39.73,29.59 39.45,29.32 39.31,29.32 v1(39.25,29.26) ; U111.52 11.73,51.59 11.45,51.32 11.31,51.32 v1(11.25,51.26) ; U117.52 53.73,13.59 53.45,13.32 53.31,13.32 v1(53.25,13.26) ; U117#2.52 53.73,51.59 53.45,51.32 53.31,51.32 v1(53.25,51.26) ; U103#2.52 25.73,29.59 25.45,29.32 25.31,29.32 v1(25.25,29.26) ; U107#2.52 53.73,29.59 53.45,29.32 53.31,29.32 v1(53.25,29.26) ; U115.52 39.73,51.59 39.45,51.32 39.31,51.32 v1(39.25,51.26) ; U109.52 67.72,67.59 67.45,67.32 67.31,67.32 v1(67.25,67.26) ; U107.52 53.73,67.59 53.45,67.32 53.31,67.32 v1(53.25,67.26) ; U101#2.52 11.73,29.59 11.45,29.32 11.31,29.32 v1(11.25,29.26) ; U115#2.52 39.73,13.59 39.45,13.32 39.31,13.32 v1(39.25,13.26) ; v1(25.25,51.26) 25.31,51.32 25.45,51.32 25.73,51.59 U113#2.52 ; v1(39.25,67.26) 39.31,67.32 39.45,67.32 39.73,67.59 U105.52 ; v1(67.25,13.26) 67.31,13.32 67.45,13.32 67.72,13.59 U119#2.52 ; v1(67.25,29.26) 67.31,29.32 67.45,29.32 67.72,29.59 U109#2.52 ; U103.52 25.73,67.59 25.45,67.32 25.31,67.32 v1(25.25,67.26)
/bidir_21: length 79.4
  Top w0.1: v1(9.5,28.12) 9.54,28.17 U102#2.26 ; U116.26 37.54,50.17 v1(37.5,50.12) ; U110.26 65.54,28.17 v1(65.5,28.12) ; U116#2.26 37.54,12.17 v1(37.5,12.12) ; U110#2.26 65.54,66.16 v1(65.5,66.12) ; U106.26 37.54,28.17 v1(37.5,28.12) ; U120#2.26 65.54,12.17 v1(65.5,12.12) ; U104#2.26 23.54,28.17 v1(23.5,28.12) ; v1(23.5,66.12) 23.54,66.16 U104.26 ; v1(37.5,66.12) 37.54,66.16 U106#2.26 ; U108#2.26 51.54,66.16 v1(51.5,66.12) ; U120.26 65.54,50.17 v1(65.5,50.12) ; v1(9.5,50.12) 9.54,50.17 U112.26 ; v1(51.5,28.12) 51.54,28.17 U108.26 ; v1(9.5,66.12) 9.54,66.16 U102.26 ; v1(23.5,12.12) 23.54,12.17 U114.26 ; U118.26 51.54,50.17 v1(51.5,50.12) ; U114#2.26 23.54,50.17 v1(23.5,50.12) ; U118#2.26 51.54,12.17 v1(51.5,12.12) ; v1(9.5,12.12) 9.54,12.17 U112#2.26
  Bottom w0.1: U103.51 25.76,67.19 24.68,66.12 v1(23.5,66.12) ; v1(9.5,50.12) 10.68,50.12 11.76,51.2 U111.51 ; U119#2.51 67.75,13.2 66.68,12.12 v1(65.5,12.12) ; v1(37.5,66.12) 38.68,66.12 39.76,67.19 U105.51 ; U105#2.51 39.76,29.2 38.68,28.12 v1(37.5,28.12) ; U107#2.51 53.76,29.2 52.68,28.12 v1(51.5,28.12) ; U101#2.51 11.76,29.2 10.68,28.12 v1(9.5,28.12) ; U115#2.51 39.76,13.2 38.68,12.12 v1(37.5,12.12) ; v1(23.5,28.12) 24.68,28.12 25.76,29.2 U103#2.51 ; U107.51 53.76,67.19 52.68,66.12 v1(51.5,66.12) ; v1(65.5,66.12) 66.68,66.12 67.75,67.19 U109.51 ; U113.51 25.76,13.2 24.68,12.12 v1(23.5,12.12) ; U115.51 39.76,51.2 38.68,50.12 v1(37.5,50.12) ; v1(9.5,12.12) 10.68,12.12 11.76,13.2 U111#2.51 ; v1(51.5,12.12) 52.68,12.12 53.76,13.2 U117.51 ; v1(9.5,66.12) 10.68,66.12 11.76,67.19 U101.51 ; v1(51.5,50.12) 52.68,50.12 53.76,51.2 U117#2.51 ; U113#2.51 25.76,51.2 24.68,50.12 v1(23.5,50.12) ; U109#2.51 67.75,29.2 66.68,28.12 v1(65.5,28.12) ; U119.51 67.75,51.2 66.68,50.12 v1(65.5,50.12)
/bidir_22: length 132.2
  Top w0.1: v1(37.4,11.08) 38.71,9.77 U116#2.29 ; v1(9.4,27.08) 10.71,25.77 U102#2.29 ; v1(51.4,11.08) 52.71,9.77 U118#2.29 ; v1(65.4,65.08) 66.72,63.77 U110#2.29 ; U110.29 66.72,25.77 v1(65.4,27.08) ; v1(65.4,11.08) 66.72,9.77 U120#2.29 ; U116.29 38.71,47.77 v1(37.4,49.08) ; U108.29 52.71,25.77 v1(51.4,27.08) ; v1(23.4,11.08) 24.71,9.77 U114.29 ; v1(23.4,49.08) 24.71,47.77 U114#2.29 ; v1(9.4,11.08) 10.71,9.77 U112#2.29 ; v1(37.4,65.08) 38.71,63.77 U106#2.29 ; v1(23.4,65.08) 24.71,63.77 U104.29 ; v1(65.4,49.08) 66.72,47.77 U120.29 ; U108#2.29 52.71,63.77 v1(51.4,65.08) ; v1(37.4,27.08) 38.71,25.77 U106.29 ; v1(9.4,65.08) 10.71,63.77 U102.29 ; v1(51.4,49.08) 52.71,47.77 U118.29 ; v1(9.4,49.08) 10.71,47.77 U112.29 ; U104#2.29 24.71,25.77 v1(23.4,27.08)
  Bottom w0.1: v1(51.4,27.08) 52.04,27.08 53.76,28.8 U107#2.50 ; U109#2.50 67.75,28.8 66.04,27.08 v1(65.4,27.08) ; U115#2.50 39.76,12.8 38.04,11.08 v1(37.4,11.08) ; U115.50 39.76,50.8 38.04,49.08 v1(37.4,49.08) ; U105#2.50 39.76,28.8 38.04,27.08 v1(37.4,27.08) ; v1(51.4,49.08) 52.04,49.08 53.76,50.8 U117#2.50 ; U111#2.50 11.76,12.8 10.04,11.08 v1(9.4,11.08) ; U113.50 25.76,12.8 24.04,11.08 v1(23.4,11.08) ; U103.50 25.76,66.8 24.04,65.08 v1(23.4,65.08) ; v1(51.4,65.08) 52.04,65.08 53.76,66.8 U107.50 ; U119#2.50 67.75,12.8 66.04,11.08 v1(65.4,11.08) ; U105.50 39.76,66.8 38.04,65.08 v1(37.4,65.08) ; U117.50 53.76,12.8 52.04,11.08 v1(51.4,11.08) ; v1(9.4,27.08) 10.04,27.08 11.76,28.8 U101#2.50 ; U103#2.50 25.76,28.8 24.04,27.08 v1(23.4,27.08) ; v1(23.4,49.08) 24.04,49.08 25.76,50.8 U113#2.50 ; v1(65.4,65.08) 66.04,65.08 67.75,66.8 U109.50 ; U119.50 67.75,50.8 66.04,49.08 v1(65.4,49.08) ; U111.50 11.76,50.8 10.04,49.08 v1(9.4,49.08) ; v1(9.4,65.08) 10.04,65.08 11.76,66.8 U101.50
